# Altium PCB nixi_tube.PcbDoc (part 1 of 3)
Units mm, origin at the board's own origin, x right, y up, seen from the top; angles counter-clockwise.
Board outline 147 x 65 mm, 2 copper layers (Top Layer, Bottom Layer), stack 1.569 mm thick; 87 components, 111 nets, 363 pads, 194 vias.
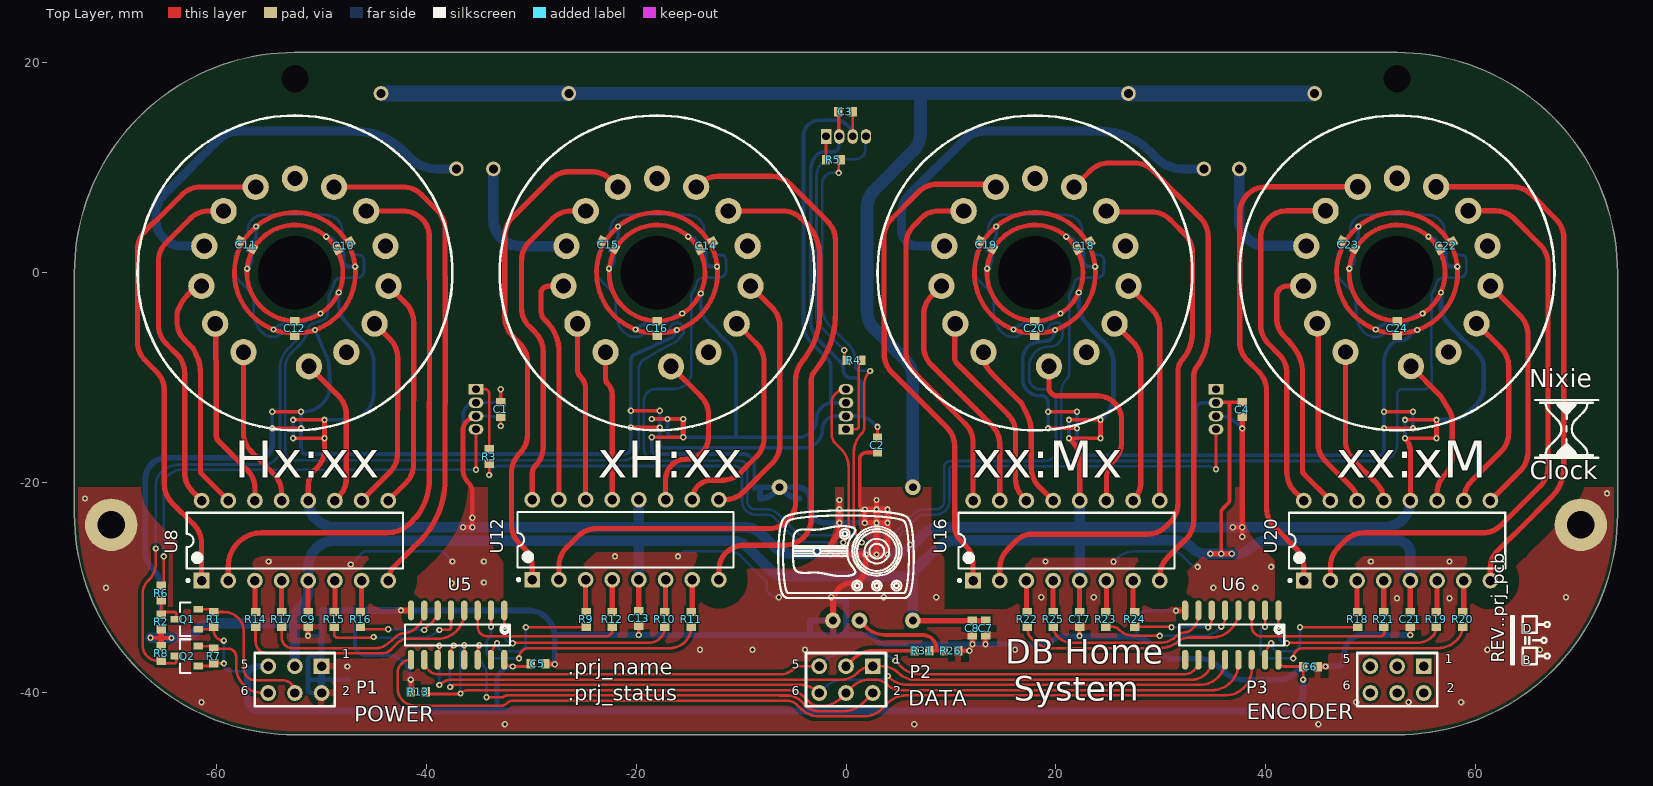
[diagram p0: Top Layer view]
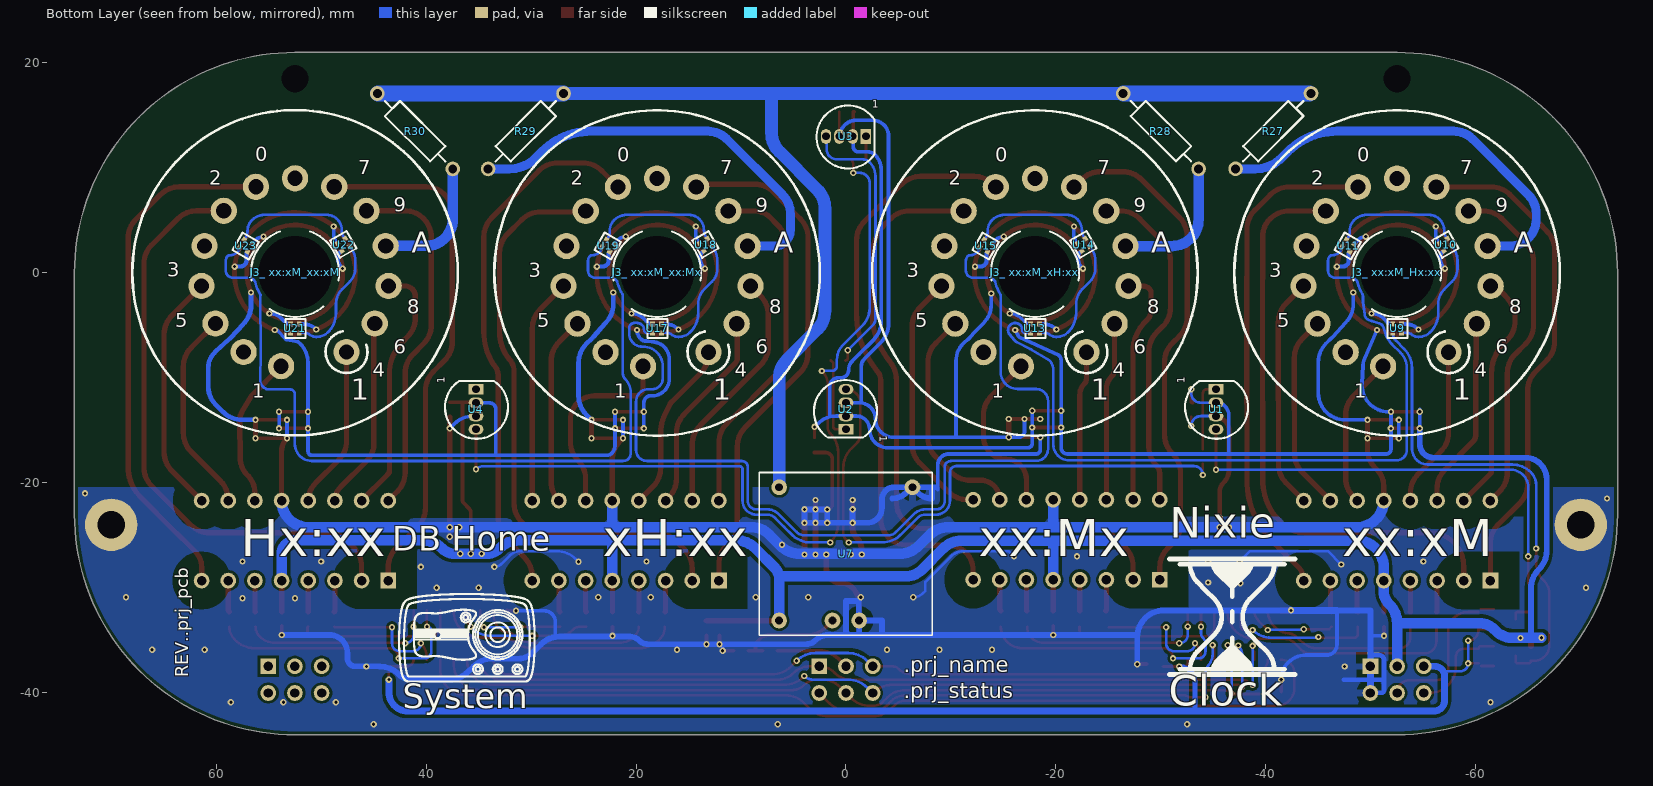
[diagram p1: Bottom Layer view, seen from below]

## Layer stack, top to bottom
Top Solder: solder mask 0.0254, SM-001, Dk 4
Top Layer: signal copper 0.035
Dielectric 1: core 1.4986, Core-043, Dk 4.3
Bottom Layer: signal copper 0.035
Bottom Solder: solder mask 0.0254, SM-001, Dk 4

## Board outline
-73.5,-23 -73.5,0 cw(c-52.5,0) -52.5,21 52.5,21 cw(c52.5,0) 73.5,0 73.5,-23 cw(c52.5,-23) 52.5,-44 -52.5,-44 cw(c-52.5,-23)

## Design rules (kind name [scope] priority, off if disabled: settings)
BoardOutlineClearance [All] p1: gap=0.35 ignorepadtopadclearanceinfootprint=FALSE except(0: Arc-SplitContinuation Track-SplitContinuation SMDPad-SplitContinuation THPad-SplitContinuation Via-SplitContinuation Fill-SplitContinuation Poly-SplitContinuation Region-SplitContinuation Text-SplitContinuation)
Clearance Clearance_0,15 [InComponentClass('0,15')] p1: gap=0.25 ignorepadtopadclearanceinfootprint=FALSE except(0.15: SMDPad-SMDPad THPad-THPad)
Clearance Clearance_hv [InNetClass('HV')] p2: gap=2 ignorepadtopadclearanceinfootprint=FALSE except(0.25: Arc-Via Arc-Text Arc-Hole Track-Via Track-Text Track-Hole SMDPad-Via SMDPad-Text SMDPad-Hole THPad-Via THPad-Text THPad-Hole Via-Via Via-Text Via-Hole Fill-Text Fill-Hole Poly-Text Poly-Hole Region-Text Region-Hole Text-Text Text-Hole; 0.5: Arc-SMDPad Arc-THPad Track-SMDPad Track-THPad SMDPad-SMDPad SMDPad-THPad THPad-THPad; 1: Arc-Arc Arc-Track Track-Track)
Clearance [All] p3: gap=0.25 ignorepadtopadclearanceinfootprint=FALSE except(0.35: Arc-Fill Arc-Poly Arc-Region Track-Fill Track-Poly Track-Region Fill-Fill Fill-Poly Fill-Region Poly-Poly Poly-Region Region-Region)
ComponentClearance [All] p1: gap=0.25 collisioncheckmode=3 verticalgap=0.25 showdistances=FALSE
DiffPairsRouting [All] p1: maxlimit=0.25 minlimit=0.25 mostfreqgap=0.25 toplayer_minwidth=0.25 toplayer_maxwidth=0.25 toplayer_prefwidth=0.25 bottomlayer_minwidth=0.25 bottomlayer_maxwidth=0.25 bottomlayer_prefwidth=0.25 maxuncoupledlength=0.25
Height [All] p1: minheight=0 maxheight=25 prefheight=12.5
HoleSize [All] p1: absolutevalues=TRUE maxlimit=10 minlimit=0.2 maxpercent=80.000 minpercent=20.000
HoleToHoleClearance [All] p1: gap=0.25 allowstackedmicrovias=TRUE
MinimumSolderMaskSliver [All] p1: minsoldermaskwidth=0.15
PlaneClearance [All] p1: clearance=0.5
PlaneConnect PlaneConnect_via [isvia] p1: planeconnectstyle=Direct reliefexpansion=0.508 reliefentries=4 reliefconductorwidth=0.254 reliefairgap=0.254
PlaneConnect [All] p2: planeconnectstyle=Relief reliefexpansion=0.6 reliefentries=4 reliefconductorwidth=0.6 reliefairgap=0.3
PolygonConnect PolygonConnect_hole [(ObjectKind = 'Pad') And (Net = 'GND') And (Component = 'Free') And (Name = 'Free-hole')] p1: connectstyle=Direct reliefconductorwidth=0.254 reliefentries=4 polygonreliefangle="90 Angle" airgapwidth=0.254
PolygonConnect PolygonConnect_via [isvia] p2: connectstyle=Direct reliefconductorwidth=0.254 reliefentries=4 polygonreliefangle="90 Angle" airgapwidth=0.254
PolygonConnect [All] p3: connectstyle=Relief reliefconductorwidth=0.6 reliefentries=4 polygonreliefangle="90 Angle" airgapwidth=0.6
RoomDefinition xx:Mx [InComponentClass('xx:Mx')] p1: confinementstyle=ConfineIn formatcopy=TRUE lockcomponents=FALSE outline 1.5,22 36.5,22 36.5,-45 1.5,-45
RoomDefinition xx:xM [InComponentClass('xx:xM')] p2: confinementstyle=ConfineIn formatcopy=TRUE lockcomponents=FALSE outline 36,22 71,22 71,-45 36,-45
RoomDefinition xH:xx [InComponentClass('xH:xx')] p3: confinementstyle=ConfineIn formatcopy=TRUE lockcomponents=FALSE outline -34.5,22.088 0.5,22.088 0.5,-44.912 -34.5,-44.912
RoomDefinition Hx:xx [InComponentClass('Hx:xx')] p4: confinementstyle=ConfineIn formatcopy=TRUE lockcomponents=FALSE outline -69,22 -34,22 -34,-45 -69,-45
RoutingCorners [All] p1: cornerstyle=45-Degree minsetback=2.5 maxsetback=2.5
RoutingVias [All] p1: holewidth=0.3 width=0.6 viastyle="Through Hole" minholewidth=0.2 minwidth=0.3 maxholewidth=0.5 maxwidth=1
SilkToSilkClearance [All] p1: silktosilkclearance=0.15
SilkToSolderMaskClearance [IsPad] p1: minsilkscreentomaskgap=0.15 clearancetoexposedcopper=TRUE
SolderMaskExpansion SolderMaskExpansion_via [isVia] p1: expansion=-10 istentingtop=FALSE
SolderMaskExpansion [All] p2: expansion=0.05 istentingtop=FALSE
SupplyNets "Schematic Supply Nets_3" [InNet('+5V')] p1: voltage=0.000
SupplyNets "Schematic Supply Nets_2" [InNet('GND')] p2: voltage=0.000
SupplyNets "Schematic Supply Nets_1" [InNet('+3.3V')] p3: voltage=0.000
SupplyNets "Schematic Supply Nets" [InNet('HV')] p4: voltage=0.000
UnRoutedNet [All] p1: checkbadconnections=TRUE
Width [All] p1: maxlimit=5 minlimit=0.15 preferedwidth=0.25
18 further rules are at their usual default settings.

## Classes and differential pairs
component class 0,15: U1 U2 U3 U4
net class HV: D0_Hx:xx D0_xH:xx D0_xx:Mx D0_xx:xM D1_Hx:xx D1_xH:xx D1_xx:Mx D1_xx:xM D2_Hx:xx D2_xH:xx D2_xx:Mx D2_xx:xM D3_Hx:xx D3_xH:xx D3_xx:Mx D3_xx:xM D4_Hx:xx D4_xH:xx D4_xx:Mx D4_xx:xM D5_Hx:xx D5_xH:xx D5_xx:Mx D5_xx:xM D6_Hx:xx D6_xH:xx D6_xx:Mx D6_xx:xM D7_Hx:xx D7_xH:xx D7_xx:Mx D7_xx:xM D8_Hx:xx D8_xH:xx D8_xx:Mx D8_xx:xM D9_Hx:xx D9_xH:xx D9_xx:Mx D9_xx:xM
channel class tube: Hx:xx xH:xx xx:Mx xx:xM
component class xx:xM: C21 C22 C23 C24 "J3_ xx:xM_xx:xM" R30 U20 U21 U22 U23
component class xx:Mx: C17 C18 C19 C20 "J3_ xx:xM_xx:Mx" R29 U16 U17 U18 U19
component class Hx:xx: C9 C10 C11 C12 "J3_ xx:xM_Hx:xx" R27 U8 U9 U10 U11
component class xH:xx: C13 C14 C15 C16 "J3_ xx:xM_xH:xx" R28 U12 U13 U14 U15
component class Power: C7 C8 R26 U7
component class main: C1 C2 C3 C4 C5 C6 P1 P2 P3 Q1 Q2 R1 R2 R3 R4 R5 R6 R7 R8 R9 R10 R11 R12 R13 R14 R15 R16 R17 R18 R19 R20 R21 R22 R23 R24 R25 R31 U1 U2 U3 U4 U5 U6
component class Radio: TP? Y?
component class main: C1 C2 C3 C4 Q1 R2 R5 R6 U1 U2 U3 U4

## Components (designator, comment, footprint, x,y, rotation, side; value= is the part's Value field where it differs from the comment)
C1 "100nF" 0603_[1608] -32.89,-12.993 r270 top
C2 "100nF" 0603_[1608] 3,-16.413 r270 top
C3 "100nF" 0603_[1608] -0.055,15.365 r0 top
C4 "100nF" 0603_[1608] 37.75,-13.015 r270 top
C5 "100nF" 0603_[1608] -29.35,-37.25 r180 top (schematic designator C10)
C6 "100nF" 0603_[1608] 44.25,-37.5 r180 top (schematic designator C19)
C7 "10uF" 0603_[1608] 13.296,-33.837 r90 top (schematic designator C35)
C8 "100nF" 0603_[1608] 12.046,-33.837 r90 top (schematic designator C36)
C9 "100nF" 0603_[1608] -51.25,-33 r90 top (schematic designator "C11_ xx:xM")
C10 "100nF" 0603_[1608] -47.835,2.607 r30 top (schematic designator "C12_ xx:xM")
C11 "100nF" 0603_[1608] -57.133,2.675 r150 top (schematic designator "C13_ xx:xM")
C12 "100nF" 0603_[1608] -52.5,-5.293 r270 top (schematic designator "C14_ xx:xM")
C13 "100nF" 0603_[1608] -19.75,-32.912 r90 top (schematic designator "C11_ xx:xM")
C14 "100nF" 0603_[1608] -13.335,2.607 r30 top (schematic designator "C12_ xx:xM")
C15 "100nF" 0603_[1608] -22.633,2.675 r150 top (schematic designator "C13_ xx:xM")
C16 "100nF" 0603_[1608] -18,-5.293 r270 top (schematic designator "C14_ xx:xM")
C17 "100nF" 0603_[1608] 22.25,-33 r90 top (schematic designator "C11_ xx:xM")
C18 "100nF" 0603_[1608] 22.665,2.607 r30 top (schematic designator "C12_ xx:xM")
C19 "100nF" 0603_[1608] 13.367,2.675 r150 top (schematic designator "C13_ xx:xM")
C20 "100nF" 0603_[1608] 18,-5.293 r270 top (schematic designator "C14_ xx:xM")
C21 "100nF" 0603_[1608] 53.75,-33 r90 top (schematic designator "C11_ xx:xM")
C22 "100nF" 0603_[1608] 57.165,2.607 r30 top (schematic designator "C12_ xx:xM")
C23 "100nF" 0603_[1608] 47.867,2.675 r150 top (schematic designator "C13_ xx:xM")
C24 "100nF" 0603_[1608] 52.5,-5.293 r270 top (schematic designator "C14_ xx:xM")
"J3_ xx:xM_Hx:xx" "NIXIE_TUBE_SOCKET_14PIN_31MM_THD" SOCKET_NIXI_TUBE -52.5,0 r180 bottom locked (schematic designator "J3_ xx:xM")
"J3_ xx:xM_xH:xx" "NIXIE_TUBE_SOCKET_14PIN_31MM_THD" SOCKET_NIXI_TUBE -18,0 r180 bottom (schematic designator "J3_ xx:xM")
"J3_ xx:xM_xx:Mx" "NIXIE_TUBE_SOCKET_14PIN_31MM_THD" SOCKET_NIXI_TUBE 18,0 r180 bottom (schematic designator "J3_ xx:xM")
"J3_ xx:xM_xx:xM" "NIXIE_TUBE_SOCKET_14PIN_31MM_THD" SOCKET_NIXI_TUBE 52.484,0.014 r180 bottom (schematic designator "J3_ xx:xM")
P1 "POWER" HEADER_2X3_2.54MM_THD -52.5,-38.75 r180 top
P2 "DATA" HEADER_2X3_2.54MM_THD 0,-38.75 r180 top
P3 "ENCODER" HEADER_2X3_2.54MM_THD 52.5,-38.75 r180 top
Q1 "BSS138" SOT-23 -62.75,-33 r180 top (schematic designator Q2)
Q2 "BSS138" SOT-23 -62.75,-36.5 r180 top (schematic designator Q1)
R1 "10k" 0603_[1608] -60.25,-33 r90 top (schematic designator R23)
R2 "10k" 0603_[1608] -65.25,-33.25 r90 top (schematic designator R24)
R3 "75R" 0603_[1608] -34,-17.493 r270 top (schematic designator R1)
R4 "75R" 0603_[1608] 0.75,-8.338 r180 top (schematic designator R2)
R5 "75R" 0603_[1608] -1.204,10.783 r0 top (schematic designator R3)
R6 "75R" 0603_[1608] -65.25,-30.5 r270 top (schematic designator R4)
R7 "10k" 0603_[1608] -60.25,-36.5 r90 top (schematic designator R34)
R8 "10k" 0603_[1608] -65.25,-36.25 r270 top (schematic designator R35)
R9 "1k" 0603_[1608] -24.75,-33 r270 top (schematic designator R25)
R10 "1k" 0603_[1608] -17.25,-33 r270 top (schematic designator R26)
R11 "1k" 0603_[1608] -14.75,-33 r270 top (schematic designator R27)
R12 "1k" 0603_[1608] -22.25,-33 r270 top (schematic designator R28)
R13 "10k" 0603_[1608] -40.75,-39.901 r180 top (schematic designator R29)
R14 "1k" 0603_[1608] -56.25,-33 r270 top (schematic designator R30)
R15 "1k" 0603_[1608] -48.75,-33 r270 top (schematic designator R31)
R16 "1k" 0603_[1608] -46.25,-33 r270 top (schematic designator R32)
R17 "1k" 0603_[1608] -53.75,-33 r270 top (schematic designator R33)
R18 "1k" 0603_[1608] 48.75,-33 r270 top (schematic designator R36)
R19 "1k" 0603_[1608] 56.25,-33 r270 top (schematic designator R38)
R20 "1k" 0603_[1608] 58.75,-33 r270 top (schematic designator R39)
R21 "1k" 0603_[1608] 51.25,-33 r270 top (schematic designator R40)
R22 "1k" 0603_[1608] 17.25,-33 r270 top (schematic designator R42)
R23 "1k" 0603_[1608] 24.75,-33 r270 top (schematic designator R43)
R24 "1k" 0603_[1608] 27.5,-33 r270 top (schematic designator R44)
R25 "1k" 0603_[1608] 19.75,-33 r270 top (schematic designator R45)
R26 "10k" 0603_[1608] 10,-36 r180 top (schematic designator R53)
R27 "22k" "AXIAL 10mm" -40.708,13.508 r135 bottom (schematic designator "R24_ xx:xM")
R28 "22k" "AXIAL 10mm" -30,13.5 r45 bottom (schematic designator "R24_ xx:xM")
R29 "22k" "AXIAL 10mm" 30.5,13.5 r135 bottom (schematic designator "R24_ xx:xM")
R30 "22k" "AXIAL 10mm" 41.055,13.5 r45 bottom (schematic designator "R24_ xx:xM")
R31 "33R" 0603_[1608] 7.25,-36 r180 top (schematic designator R5)
U1 "WS2812D" R5_RGB_LED_THD -35.25,-13 r90 bottom
U2 "WS2812D" R5_RGB_LED_THD 0,-13 r270 bottom
U3 "WS2812D" R5_RGB_LED_THD 0,13 r180 bottom
U4 "WS2812D" R5_RGB_LED_THD 35.25,-13 r90 bottom
U5 "SN74HC595D" soic16 -37,-34.5 r270 top (schematic designator U8)
U6 "SN74HC595D" soic16 36.75,-34.5 r270 top (schematic designator U16)
U7 "BootModule_3-9V_170V" BOOSTMODULE 0.02,-26.766 r90 bottom locked (schematic designator U26)
U8 "K155ID1" DIP-16_THD -52.5,-25.5 r90 top (schematic designator "U7_ xx:xM")
U9 "WS2812" LED_PLCC_RGB_4P_1010 -52.5,-5.293 r270 bottom (schematic designator "U9_ xx:xM")
U10 "WS2812" LED_PLCC_RGB_4P_1010 -57.133,2.675 r150 bottom (schematic designator "U10_ xx:xM")
U11 "WS2812" LED_PLCC_RGB_4P_1010 -47.835,2.607 r30 bottom (schematic designator "U11_ xx:xM")
U12 "K155ID1" DIP-16_THD -21,-25.412 r90 top (schematic designator "U7_ xx:xM")
U13 "WS2812" LED_PLCC_RGB_4P_1010 -18,-5.293 r270 bottom (schematic designator "U9_ xx:xM")
U14 "WS2812" LED_PLCC_RGB_4P_1010 -22.633,2.675 r150 bottom (schematic designator "U10_ xx:xM")
U15 "WS2812" LED_PLCC_RGB_4P_1010 -13.335,2.607 r30 bottom (schematic designator "U11_ xx:xM")
U16 "K155ID1" DIP-16_THD 21,-25.5 r90 top (schematic designator "U7_ xx:xM")
U17 "WS2812" LED_PLCC_RGB_4P_1010 18,-5.293 r270 bottom (schematic designator "U9_ xx:xM")
U18 "WS2812" LED_PLCC_RGB_4P_1010 13.367,2.675 r150 bottom (schematic designator "U10_ xx:xM")
U19 "WS2812" LED_PLCC_RGB_4P_1010 22.665,2.607 r30 bottom (schematic designator "U11_ xx:xM")
U20 "K155ID1" DIP-16_THD 52.5,-25.5 r90 top (schematic designator "U7_ xx:xM")
U21 "WS2812" LED_PLCC_RGB_4P_1010 52.5,-5.293 r270 bottom (schematic designator "U9_ xx:xM")
U22 "WS2812" LED_PLCC_RGB_4P_1010 47.867,2.675 r150 bottom (schematic designator "U10_ xx:xM")
U23 "WS2812" LED_PLCC_RGB_4P_1010 57.165,2.607 r30 bottom (schematic designator "U11_ xx:xM")

## Footprints (in the part's own frame and the unit in brackets; to place one, negate y for a bottom-side part, rotate by r counter-clockwise, add the part's x,y. Pads: shape width x height; smd on the part's side, far side on the other; paste and mask are expansions set on the pad)
0603_[1608] [mm] "Chip Capacitor, Body 1.6x0.8mm, IPC High Density"
  rect 0.8x0.9 smd: 1(-0.7,0) 2(0.7,0)
  body extent -0.75,-0.4 0.75,0.4, height 0.67
"AXIAL 10mm" [mm]
  round 1.4 hole 0.85: 1(-5.08,0) 2(5.08,0)
  silkscreen extent -4.06,-1.02 4.06,1.02, body extent -5.28,-1.11 5.48,1.2, height 2.93
BOOSTMODULE [mm]
  round 1.5 hole 0.75: 1(-6.35,6.35) 2(-6.35,1.27) 3(-6.35,-1.27) 4(6.35,-6.35) 5(6.35,6.35)
  silkscreen extent -7.75,-8.25 7.75,8.25, body extent -7.5,-8 7.5,8, height 3.5
DIP-16_THD [mm]
  rect 1.5x1.5 hole 0.9: 1(-3.81,8.89)
  round 1.5 hole 0.9: 2(-3.81,6.35) 3(-3.81,3.81) 4(-3.81,1.27) 5(-3.81,-1.27) 6(-3.81,-3.81) 7(-3.81,-6.35) 8(-3.81,-8.89) 9(3.81,-8.89) 10(3.81,-6.35) 11(3.81,-3.81) 12(3.81,-1.27) 13(3.81,1.27) 14(3.81,3.81) 15(3.81,6.35) 16(3.81,8.89)
  silkscreen extent -3.93,-10.3 2.65,10.31, body extent -3.6,-10.28 3.6,10.28, height 5.08
HEADER_2X3_2.54MM_THD [mm] "pin header 2.54mm 2row 6pin"
  rect 1.5x1.5 hole 0.9: 1(-2.54,-1.27)
  round 1.5 hole 0.9: 2(-2.54,1.27) 3(0,-1.27) 4(0,1.27) 5(2.54,-1.27) 6(2.54,1.27)
  silkscreen extent -3.81,-2.54 3.81,2.54, body extent -3.81,-2.54 3.81,2.54, height 8.54
LED_PLCC_RGB_4P_1010 [mm]
  rect 0.45x0.45 smd: 1(-0.425,0.425) 2(0.425,0.425) 3(-0.425,-0.425) 4(0.425,-0.425)
  silkscreen extent -0.9,-0.9 0.9,1, body extent -0.5,-0.5 0.5,0.5, height 0.85
R5_RGB_LED_THD [mm]
  rect 1x1.4 hole 0.72: 1(1.905,0)
  oval 1x1.4 hole 0.72: 2(0.635,0) 3(-0.635,0) 4(-1.905,0)
  silkscreen extent -2.8,-3.05 2.7,2.95, body extent -2.83,-2.9 2.63,3, height 9.65
SOCKET_NIXI_TUBE [mm] "Pin 1mm, Tube 30mm"
  round 2.5 hole 1.45: 1(4.902,-7.548) 2(7.591,-4.836) 3(8.912,-1.253) 4(8.629,2.556) 5(6.792,5.905) 6(3.732,8.19) 7(0,9) 8(-3.732,8.19) 9(-6.792,5.905) 10(-8.629,2.556) 11(-8.912,-1.253) 12(-7.591,-4.836) 13(-4.902,-7.548) 14(-1.33,-8.901)
  round 0 hole 7 unplated: hole1(0,0)
  silkscreen extent -15.5,-15.5 15.5,15.5, body extent -10.25,-10.15 10.12,10.3, height 7
soic16 [mm] "SOIC, 16-Leads, Body 9.9x3.9mm, Pitch 1.27mm, IPC High Density"
  oval 1.9x0.6 smd: 1(-2.35,4.445) 2(-2.35,3.175) 3(-2.35,1.905) 4(-2.35,0.635) 5(-2.35,-0.635) 6(-2.35,-1.905) 7(-2.35,-3.175) 8(-2.35,-4.445) 9(2.35,-4.445) 10(2.35,-3.175) 11(2.35,-1.905) 12(2.35,-0.635) 13(2.35,0.635) 14(2.35,1.905) 15(2.35,3.175) 16(2.35,4.445)
  silkscreen extent -1,-5 1,5, body extent -2,-5 2,5, height 1.91
SOT-23 [mm] "SOT23, 3-Leads, Body 2.9x1.3mm, Pitch 0.95mm, Lead Span 2.5mm, IPC High Density"
  rect 0.9x0.65 smd: 1(-1.038,0.95) 2(-1.038,-0.95)
  rect 1.1x0.65 smd: 3(1.038,0)
  silkscreen extent -0.3,-1.6 0.7,1.6, body extent -1.2,-1.52 1.2,1.52, height 1.22

## Part data
C1 C2 C3 C4 C5 C6 C7 C8 C9 C10 C11 C12 C13 C14 C15 C16 C17 C18 C19 C20 C21 C22 C23 C24: library part Cap, "Capacitor", ComponentLink1Description="New link"
"J3_ xx:xM_Hx:xx" "J3_ xx:xM_xH:xx" "J3_ xx:xM_xx:Mx" "J3_ xx:xM_xx:xM": library part CMP-057-000033-2, Design Item ID=NIXIE_TUBE_SOCKET_14PIN_31MM_THD, MountTechnology=SMT, Publisher="Develer srl", Revision=0.1
P1 P2 P3: library part "Header 3X2", "Header, 3-Pin, Dual row", LatestRevisionDate=17-Jul-2002, LatestRevisionNote="Re-released for DXP Platform.", Publisher="Altium Limited"
Q1 Q2: "N-MOSFET 50V 0,22A", MountTechnology=SMT, Publisher="Develer srl", Revision=0.1
R1 R2 R3 R4 R5 R6 R7 R8 R9 R10 R11 R12 R13 R14 R15 R16 R17 R18 R19 R20 R21 R22 R23 R24 R25 R26 R27 R28 R29 R30 R31: library part Res, "Resistor", MountTechnology=SMT, Publisher="Develer srl", Revision=0.1
U1 U2 U3 U4: "Adressable Led RGB 1wire, THD", CODE LCSC=C190565, MountTechnology=SMT, Publisher="Develer srl", Revision=0.1
U5 U6: "8-Bit Shift Registers With 3-State Output Registers", Supplier Part Number 1=497-2344-5-ND, MountTechnology=SMT, Publisher="Develer srl", Revision=0.1, Supplier 1=Digi-Key, Supplier 2=Newark, Supplier 3=Newark, Supplier 4=Avnet, Supplier Part Number 2=26AC5117, Supplier Part Number 3=89K1130, Supplier Part Number 4=ULN2003A
U7: "som boot power supply 3-9V to 170V", MountTechnology=SMT, Publisher="Develer srl", Revision=0.1
U8 U12 U16 U20: "Nixie Tube HV Driver", MountTechnology=SMT, Publisher="Develer srl", Revision=0.1
U9 U10 U11 U13 U14 U15 U17 U18 U19 U21 U22 U23: "Adressable Led RGB 1wire", CODE LCSC=C5349953, MountTechnology=SMT, Publisher="Develer srl", Revision=0.1

## Free pads (board coordinates)
  round 5 hole 2.6: hole(-70,-24) hole(70,-24)
  round 0 hole 2.6: hole(-52.5,18.5) hole(52.5,18.5)

## Via types
v1: diameter 0.6, hole 0.3, Top Layer to Bottom Layer, 194 vias

## Nets (pads, with @x,y where several pads share a name; then routed paths per layer and width w, separated by ;. In a path a pad name is that pad's centre, name@x,y a point inside that pad or via, vN(x,y) a via of type N, cw(c..) or ccw(c..) an arc to the next point about the centre after c; other vN are vias at no path point)
+3.3V: C5.2 C6.2 P1.5 Q1.1 Q2.1 R1.1 R7.1 U5.16 U6.16 | length 130.3
  Top Layer w0.25: Q2.1@-61.713,-37.45 R7.1@-60.5,-37.45 ; Q1.1@-61.713,-33.95 R1.1@-60.5,-33.95 ; R7.1@-60.25,-37.2 v1(-59.267,-37.2) ; R1.1@-60.25,-33.7 -60.25,-34.049 ccw(c-59.267,-34.049) v1(-59.267,-35.033) ; U5.16@-32.555,-36.85 -32.555,-37.276 -32.393,-37.437 -31.812,-37.437 v1(-31.75,-37.5) C5.2@-30.2,-37.5 ; U6.16@41.195,-36.85 ccw(c41.845,-36.85) 41.845,-37.5 C6.2@43.55,-37.5 v1(43.55,-38.75)
  Bottom Layer w0.25: v1(-59.267,-35.033) v1(-59.267,-37.2) ccw(c-58.514,-37.2) -58.764,-37.91 ccw(c-58.514,-37.2) -58.514,-37.953 -57.025,-37.953
  Bottom Layer w0.45: -33.25,-41.75 -33.25,-38.869 cw(c-32.021,-38.869) -32.89,-38 -32.843,-37.953 cw(c-31.75,-39.045) v1(-31.75,-37.5)
  Bottom Layer w0.65: P1.5@-55.04,-37.48 -56.084,-37.48 ccw(c-56.084,-38.42) -57.025,-38.42 -57.025,-40.725 ccw(c-56,-40.725) -56,-41.75 -33.25,-41.75 41.742,-41.75 41.744,-41.75 ccw(c41.744,-39.944) 43.55,-39.944 v1(43.55,-38.75)
+5V: C1.1 C2.1 C3.1 C4.1 C7.2 C8.2 C9.2 C10.2 C11.2 C12.2 C13.2 C14.2 C15.2 C16.2 C17.2 C18.2 C19.2 C20.2 C21.2 C22.2 C23.2 C24.2 P1.3 R2.1 R8.1 U1.2 U2.2 U3.2 U4.2 U7.1 U8.5 U9.1 U10.1 U11.1 U12.5 U13.1 U14.1 U15.1 U16.5 U17.1 U18.1 U19.1 U20.5 U21.1 U22.1 U23.1 | length 612.2
  Top Layer w0.25: C2.1@3,-15.713 v1(3,-14.663)
  Top Layer w0.35: v1(-66.25,-34.75) -65.25,-34.75 ; -65.259,-34.778 -65.25,-34.778 v1(-64.259,-34.778) ; v1(-54.665,-14.812) v1@-51.943,-14.812 ; v1@-54.628,-13.225 v1(-51.915,-13.225) ; C12.2@-52.5,-5.993 C12.2@-52.5,-5.764 ; C1.1@-33.047,-12.358 ccw(c-33.047,-12.136) C1.1@-32.89,-12.293 v1(-32.89,-11.088) ; v1(-20.493,-14.723) v1@-17.771,-14.723 ; v1@-20.456,-13.137 v1(-17.743,-13.137) ; C16.2@-18,-5.993 C16.2@-18,-5.764 ; C3.1@-0.755,15.365 cw(c-0.755,15.301) -0.69,15.301 U3.2@-0.69,13 ; C20.2@18,-5.993 C20.2@18,-5.764 ; v1(19.257,-14.812) v1@21.979,-14.812 ; v1@19.293,-13.225 v1(22.007,-13.225) ; U4.2@35.25,-12.38 cw(c35.315,-12.38) 35.315,-12.315 36.532,-12.315 ; v1(35.75,-26.75) 35.75,-22.83 cw(c36.305,-22.83) 35.912,-22.438 ; 35.912,-22.438 36.401,-21.949 ccw(c36.085,-21.633) 36.532,-21.633 36.532,-12.315 ; C4.1@37.75,-12.315 36.532,-12.315 ; v1(51.257,-14.812) v1@53.979,-14.812 ; v1@51.293,-13.225 v1(54.007,-13.225) ; C24.2@52.5,-5.993 C24.2@52.5,-5.764
  Top Layer w0.45: C12.2@-52.5,-5.764 ccw(c-52.5,0) -46.736,0 ccw(c-52.5,0) C12.2@-52.5,-5.764 ; C16.2@-18,-5.764 cw(c-18,0) -12.236,0 cw(c-18,0) C16.2@-18,-5.764 ; C20.2@18,-5.764 ccw(c18,0) 23.764,0 ccw(c18,0) C20.2@18,-5.764 ; C24.2@52.5,-5.764 ccw(c52.5,0) 58.264,0 ccw(c52.5,0) C24.2@52.5,-5.764
  Top Layer w0.5: C9.2@-51.25,-32.3 -51.25,-29.358 cw(c-51.182,-29.358) U8.5@-51.23,-29.31 ; C13.2@-19.75,-32.211 -19.75,-29.27 cw(c-19.682,-29.27) U12.5@-19.73,-29.222 ; C17.2@22.25,-32.3 22.25,-29.358 cw(c22.318,-29.358) U16.5@22.27,-29.31 ; C21.2@53.75,-32.3 53.75,-29.358 cw(c53.818,-29.358) U20.5@53.77,-29.31
  Top Layer w0.55: R8.1@-65.25,-35.55 -65.25,-34.778 -65.25,-34.75 R2.1@-65.25,-33.95 ; U7.1@6.39,-33.136 C8.2@12.046,-33.136 C7.2@13.296,-33.136 ; v1(34.713,-26.75) v1(35.75,-26.75) v1(36.75,-26.75)
  Bottom Layer w0.25: U1.2@-35.255,-12.358 -33.782,-12.358 ccw(c-33.782,-11.466) -32.89,-11.466 v1(-32.89,-11.088)
  Bottom Layer w0.35: U10.1@-56.553,2.831 ccw(c-57.415,3.693) -56.195,3.693 v1(-56.195,4.424) ; -54.679,-16.764 -54.665,-16.75 ; v1@-54.672,-12.993 -54.665,-13 v1(-54.665,-13.225) v1(-54.665,-14.812) ; v1(-54.541,-5.391) cw(c-53.279,-6.653) -53.279,-4.868 U9.1@-52.925,-4.868 ; v1(-50.589,-5.438) -49.407,-8.127 cw(c-51.17,-8.901) -49.248,-8.794 -49.149,-10.564 cw(c-49.499,-10.583) -49.149,-10.583 -49.149,-10.685 cw(c-51.689,-10.685) -51.689,-13.225 v1(-51.915,-13.225) -51.915,-16.794 ccw(c-51.459,-16.794) -51.459,-17.25 -36.463,-17.25 ; U1.2@-35.255,-12.358 ccw(c-35.255,-13.566) -36.463,-13.566 -36.463,-17.25 ; U14.1@-22.053,2.831 ccw(c-22.915,3.693) -21.695,3.693 v1@-21.695,4.424 ; v1(-20.041,-5.391) cw(c-18.779,-6.653) -18.779,-4.868 U13.1@-18.425,-4.868 ; v1@-17.743,-14.723 -17.743,-14.345 ; v1(-17.743,-13.137) -17.743,-14.345 ; v1(-16.111,-5.438) -16.456,-6.046 -16.534,-6.123 -20.289,-7.858 -20.333,-7.902 -20.35,-7.919 ccw(c-19.834,-8.329) -20.493,-8.329 -20.493,-8.331 v1(-20.493,-13.137) v1(-20.493,-14.723) -20.493,-16.656 cw(c-21.087,-16.656) -21.087,-17.25 -36.463,-17.25 ; -1.237,-7.762 ccw(c-0.973,-7.532) -1.222,-7.778 ; U3.2@-0.69,13 -0.69,12.033 cw(c-1.19,12.033) -1.19,11.533 -2.055,11.533 ccw(c-2.055,10.483) -2.75,11.27 ; v1(3,-14.663) 2.716,-14.379 ccw(c0.92,-16.175) 1.544,-13.713 ; U18.1@13.947,2.831 ccw(c13.085,3.693) 14.305,3.693 v1(14.305,4.424) ; v1(15.959,-5.391) cw(c17.221,-6.653) 17.221,-4.868 U17.1@17.575,-4.868 ; 18.476,-6.56 ccw(c18.519,-8.251) 16.826,-8.251 16.826,-10.067 ccw(c18.461,-10.067) 18.461,-11.701 18.6,-11.701 cw(c18.6,-12.358) 19.257,-12.358 v1(19.257,-13.225) v1(19.257,-14.812) ; 18.477,-6.56 ccw(c18.468,-6.21) 18.508,-6.557 19.042,-6.493 cw(c19.33,-8.901) 19.184,-6.481 ccw(c19.161,-6.131) 19.335,-6.435 19.336,-6.435 ccw(c18.768,-5.447) 19.48,-6.336 ccw(c18.761,-5.438) v1(19.911,-5.438) ; v1(22.007,-13.225) 22.007,-15.75 ; 22.015,-15.758 22.007,-15.75 ; U4.2@35.25,-12.38 33.975,-12.38 ccw(c33.975,-13) 33.355,-13 33.355,-17.251 ; U22.1@48.454,2.831 ccw(c47.591,3.693) 48.811,3.693 v1(48.811,4.424) ; v1(50.465,-5.391) cw(c51.727,-6.653) 51.727,-4.868 U21.1@52.081,-4.868 ; v1@51.25,-12.993 v1@51.257,-13 ; v1@54.007,-14.812 v1(54.007,-13.225) ; v1(54.418,-5.438) 54.348,-5.438 ccw(c54.348,-5.788) 54.091,-5.551 53.462,-6.231 cw(c53.15,-5.943) 53.234,-6.359 52.26,-6.557 ccw(c52.33,-6.9) 52.081,-6.653 52.001,-6.733 ccw(c53.797,-8.529) 51.257,-8.529 v1@51.257,-13 ; -17.743,-14.345 -17.735,-14.345 v1(-17.735,-14.723) -17.735,-16.25 ccw(c-17.329,-16.25) -17.329,-16.656 -4,-16.656 ccw(c-4,-14.905) -2.249,-14.905 cw(c-0.979,-14.905) -0.979,-13.635 U2.2@0,-13.635 0.92,-13.635 cw(c0.92,-16.175) 1.544,-13.713 ; -2.924,11.072 cw(c-1.289,9.81) -2.75,11.27 ; -2.924,11.072 cw(c-2.055,10.483) -2.75,11.27 ; -2.924,11.072 ccw(c-1.289,9.81) -3.355,9.81 -3.355,-4.593 ccw(c-0.815,-4.593) -2.611,-6.389 -1.222,-7.778 ; -1.222,-7.778 -0.604,-8.396 cw(c-1.457,-9.25) -0.25,-9.25 ccw(c0.5,-9.25) 0.5,-10 0.75,-10 cw(c0.75,-10.794) 1.544,-10.794 1.544,-13.713 ; 22.007,-15.75 22.007,-16.482 ccw(c22.977,-16.482) 22.291,-17.168 ccw(c22.774,-16.685) 22.774,-17.368 33.355,-17.368 ; 33.355,-17.368 33.472,-17.368 ; 33.355,-17.368 33.355,-17.251 ; 33.355,-17.251 ccw(c33.472,-17.251) 33.472,-17.368 ; 33.472,-17.368 50.881,-17.368 ccw(c50.881,-16.299) 50.905,-17.368 ccw(c50.896,-17.018) 51.242,-17.067 ccw(c49.757,-16.857) 51.257,-16.857 v1(51.257,-14.812) v1(51.257,-13.225) v1@51.257,-13
  Bottom Layer w0.4: U11.1@-47.99,2.027 cw(c-48.251,1.766) -47.882,1.766 -47.882,1.12 ccw(c-47.43,1.12) -47.75,0.8 ccw(c-47.267,1.283) -47.267,0.6 v1(-46.764,0.6) ; U15.1@-13.49,2.027 cw(c-13.751,1.766) -13.382,1.766 -13.382,1.12 ccw(c-12.93,1.12) -13.25,0.8 ccw(c-12.767,1.283) -12.767,0.6 v1(-12.287,0.6) v1@-12.264,0.6 ; U19.1@22.51,2.027 cw(c22.249,1.766) 22.618,1.766 22.618,1.12 ccw(c23.07,1.12) 22.75,0.8 ccw(c23.233,1.283) 23.233,0.6 v1(23.736,0.6) ; U23.1@57.016,2.027 cw(c56.756,1.766) 57.124,1.766 57.124,1.12 ccw(c57.576,1.12) 57.256,0.8 ccw(c57.739,1.283) 57.739,0.6 v1(58.242,0.6)
  Bottom Layer w0.55: -65.257,-34.75 -65.257,-30.045 ; -65.25,-30.5 -65.25,-30.052 ccw(c-67.79,-30.052) -65.994,-28.256 -66.006,-28.244 cw(c-64.21,-26.448) -66.75,-26.448 -66.75,-19.64 cw(c-64.71,-19.64) -64.71,-17.6 -56.105,-17.6 ; -55.956,-17.6 ccw(c-55.956,-16.309) -54.665,-16.309 v1(-54.665,-14.812)
  Bottom Layer w1: v1(-66.25,-34.75) -65.257,-34.75 -63.422,-34.75 ccw(c-63.422,-32.643) -61.933,-34.133 -61.75,-33.95 cw(c-60.306,-35.394) -60.306,-33.352 -52.5,-33.352 ; P1.3@-52.5,-37.48 -52.5,-33.352 ; U8.5@-51.25,-29.29 ccw(c-51.23,-29.29) U8.5@-51.23,-29.31 ; U12.5@-19.73,-29.222 -19.73,-25.548 ccw(c-19.798,-25.548) -19.75,-25.5 ; U7.1@6.37,-33.116 6.37,-28.918 cw(c7.923,-29.177) 6.81,-28.063 8.644,-26.229 cw(c10.439,-28.026) 10.439,-25.486 22.25,-25.486 ; 6.37,-28.912 -5.66,-28.912 cw(c-5.66,-26.672) -7.244,-28.256 -9.256,-26.244 ccw(c-11.052,-28.04) -11.052,-25.5 -19.75,-25.5 ; U16.5@22.27,-29.31 22.27,-25.535 ccw(c22.202,-25.535) 22.25,-25.486 ; v1(34.713,-26.75) 34.254,-26.75 cw(c34.254,-24.976) 33,-26.23 ccw(c31.204,-28.026) 31.204,-25.486 22.25,-25.486 ; v1@34.95,-26.75 v1(36.75,-26.75) 37.246,-26.75 ccw(c37.246,-24.976) 38.5,-26.23 cw(c40.296,-28.026) 40.296,-25.486 52.506,-25.486 cw(c52.506,-26.75) 53.77,-26.75 U20.5@53.77,-29.31 ; -52.5,-33.352 cw(c-49.96,-33.352) -51.756,-31.556 -51.7,-31.5 ccw(c-52.835,-30.365) -51.23,-30.365 U8.5@-51.23,-29.31 ; U8.5@-51.23,-29.31 -51.23,-28.04 cw(c-48.69,-28.04) -48.69,-25.5 -47.882,-25.5 -19.75,-25.5
  other v1: -51.906,-14.812 22.015,-14.812 54.015,-14.812 -21.718,4.424
A_Hx:xx: R14.1 U8.3 | length 3
  Top Layer w0.5: U8.3@-56.31,-29.31 -56.31,-32.155 ccw(c-56.105,-32.155) R14.1@-56.25,-32.3
A_xH:xx: R9.1 U12.3 | length 3
  Top Layer w0.5: U12.3@-24.81,-29.222 -24.81,-32.067 ccw(c-24.605,-32.067) R9.1@-24.75,-32.212
A_xx:Mx: R22.1 U16.3 | length 3
  Top Layer w0.5: U16.3@17.19,-29.31 17.19,-32.155 ccw(c17.395,-32.155) R22.1@17.25,-32.3
A_xx:xM: R18.1 U20.3 | length 3
  Top Layer w0.5: U20.3@48.69,-29.31 48.69,-32.155 ccw(c48.895,-32.155) R18.1@48.75,-32.3
B_Hx:xx: R15.1 U8.6 | length 3
  Top Layer w0.5: R15.1@-48.75,-32.3 ccw(c-48.895,-32.155) -48.69,-32.155 U8.6@-48.69,-29.31
B_xH:xx: R10.1 U12.6 | length 3
  Top Layer w0.5: R10.1@-17.25,-32.212 ccw(c-17.395,-32.067) -17.19,-32.067 U12.6@-17.19,-29.222
B_xx:Mx: R23.1 U16.6 | length 3
  Top Layer w0.5: R23.1@24.75,-32.3 ccw(c24.605,-32.155) 24.81,-32.155 U16.6@24.81,-29.31
B_xx:xM: R19.1 U20.6 | length 3
  Top Layer w0.5: R19.1@56.25,-32.3 ccw(c56.105,-32.155) 56.31,-32.155 U20.6@56.31,-29.31
BACK_LIGHT_DATA: P1.6 Q2.2 R7.2 | length 9.6
  Top Layer w0.25: Q2.2@-61.713,-35.55 -60.5,-35.55 cw(c-60.5,-35.8) R7.2@-60.25,-35.8 -58.85,-35.8 cw(c-58.85,-36.544) -58.106,-36.544 -58.106,-37.48 ccw(c-55.566,-37.48) -55.566,-40.02 P1.6@-55.04,-40.02
C_Hx:xx: R16.1 U8.7 | length 3
  Top Layer w0.5: R16.1@-46.25,-32.3 ccw(c-46.491,-32.059) -46.15,-32.059 U8.7@-46.15,-29.31
C_xH:xx: R11.1 U12.7 | length 3
  Top Layer w0.5: R11.1@-14.75,-32.212 ccw(c-14.991,-31.97) -14.65,-31.97 U12.7@-14.65,-29.222
C_xx:Mx: R24.1 U16.7 | length 3
  Top Layer w0.5: R24.1@27.25,-32.3 ccw(c27.009,-32.059) 27.35,-32.059 U16.7@27.35,-29.31
C_xx:xM: R20.1 U20.7 | length 3
  Top Layer w0.5: R20.1@58.75,-32.3 ccw(c58.509,-32.059) 58.85,-32.059 U20.7@58.85,-29.31
D0_Hx:xx: "J3_ xx:xM_Hx:xx.8" U8.8 | length 47.9
  Top Layer w0.5: -48.768,8.19 -42.209,8.19 cw(c-42.209,5.667) -40.425,7.451 -38.936,5.961 cw(c-40.732,4.165) -38.192,4.165 -38.188,-4.698 cw(c-39.688,-4.702) -38.188,-4.702 cw(c-39.688,-4.704) -38.188,-4.704 -38.188,-12.103 cw(c-41.188,-12.103) -38.188,-12.118 -38.192,-13 -38.192,-19.688 cw(c-46.599,-19.675) -41.171,-26.095 -43.062,-27.986 ccw(c-41.738,-29.31) -43.596,-29.081 ccw(c-41.738,-29.31) U8.8@-43.61,-29.31
D0_xH:xx: "J3_ xx:xM_xH:xx.8" U12.8 | length 56.4
  Top Layer w0.5: -14.268,8.19 -14.002,8.455 cw(c-12.206,6.659) -12.206,9.199 -7.112,9.199 cw(c-7.112,6.659) -5.316,8.455 -1.744,4.884 cw(c-3.54,3.087) -1.587,4.712 cw(c-3.54,3.087) -1,3.087 -1,-3.867 cw(c-9.517,-3.871) -1.87,-7.621 cw(c-9.517,-3.871) -2.267,-8.341 ; U12.8@-12.11,-29.222 -12.11,-28.355 cw(c-9.57,-28.355) -11.595,-26.822 -11.457,-26.684 cw(c-9.66,-28.48) -9.66,-25.94 -5.84,-25.94 ccw(c-5.84,-23.4) -3.3,-23.4 -3.3,-10.232 cw(c-1.907,-10.232) -3.181,-9.668 cw(c-2.724,-9.871) -3.13,-9.579 ccw(c-5.556,-7.815) -3.112,-9.555 -2.892,-9.247 -2.891,-9.245 -2.672,-8.939 cw(c-2.266,-9.231) -2.669,-8.935 ccw(c-9.517,-3.871) -2.098,-8.054
D0_xx:Mx: "J3_ xx:xM_xx:Mx.8" U16.8 | length 51.8
  Top Layer w0.5: 21.732,8.19 23.273,9.73 cw(c25.069,7.934) 25.069,10.474 27.467,10.474 cw(c27.467,7.934) 29.264,9.73 33.756,5.238 cw(c31.96,3.442) 34.5,3.442 34.5,-2.611 34.5,-4.948 34.5,-5.65 cw(c28.96,-5.65) 34.5,-5.654 cw(c28.96,-5.65) 34.189,-7.48 cw(c28.96,-5.65) 33.342,-9.039 ; U16.8@29.89,-29.31 29.89,-28.912 cw(c32.43,-28.912) 30.634,-27.116 32.384,-25.366 ccw(c30.588,-23.57) 33.128,-23.57 33.128,-9.921 cw(c35.182,-9.921) 33.241,-9.248 cw(c35.182,-9.921) 33.276,-9.156 cw(c33.739,-9.343) 33.342,-9.039 ; 33.729,-8.469 cw(c28.96,-5.65) 33.342,-9.039
D0_xx:xM: "J3_ xx:xM_xx:xM.8" U20.8 | length 51.7
  Top Layer w0.5: 56.216,8.204 63.494,8.204 cw(c63.494,5.664) 65.29,7.46 67.642,5.108 cw(c65.846,3.312) 68.386,3.312 68.386,-17 68.386,-18.51 cw(c64.346,-18.51) 67.596,-20.909 ; U20.8@61.438,-29.301 61.378,-29.241 61.378,-28.029 cw(c63.47,-28.029) 61.99,-26.551 63.183,-25.358 cw(c63.535,-25.713) 63.215,-25.329 ; 63.215,-25.329 ccw(c60.64,-22.216) 63.495,-25.074 64.106,-24.463 ccw(c63.754,-24.108) 64.107,-24.462 67.204,-21.365 ccw(c64.346,-18.51) 67.596,-20.909 ccw(c64.346,-18.51) 68.324,-19.217
D1_Hx:xx: "J3_ xx:xM_Hx:xx.3" U8.15 | length 23.2
  Top Layer w0.5: -61.412,-1.253 -61.984,-1.432 ccw(c-59.393,-5.156) -63.744,-3.87 -63.744,-4.583 ccw(c-61.204,-4.583) -63,-6.379 -62.244,-7.135 -61.957,-7.686 cw(c-65.54,-9.552) -61.5,-9.552 -61.5,-18.833 ccw(c-61,-18.833) -61.354,-19.186 U8.15@-58.85,-21.69
D1_xH:xx: "J3_ xx:xM_xH:xx.3" U12.15 | length 22.7
  Top Layer w0.5: U12.15@-27.35,-21.602 -27.35,-7.141 ccw(c-27.85,-7.141) -27.359,-7.045 -27.425,-6.71 ccw(c-31.39,-7.483) -28.042,-5.222 ccw(c-31.39,-7.483) -28.532,-4.627 -28.663,-4.496 cw(c-27.705,-3.538) -29.06,-3.538 -29.06,-1.901 cw(c-28.501,-1.901) -28.896,-1.506 cw(c-28.285,-2.117) -28.285,-1.253 -26.912,-1.253
D1_xx:Mx: "J3_ xx:xM_xx:Mx.3" U16.15 | length 23.8
  Top Layer w0.5: 9.088,-1.253 8.139,-2.201 ccw(c9.935,-3.997) 7.395,-3.997 7.395,-6.989 ccw(c9.935,-6.989) 8.139,-8.785 13.906,-14.551 cw(c12.11,-16.348) 14.65,-16.348 U16.15@14.65,-21.69
D1_xx:xM: "J3_ xx:xM_xx:xM.3" U20.15 | length 24.4
  Top Layer w0.5: 42.033,-6.347 42.524,-6.919 cw(c39.46,-9.552) 43.5,-9.552 43.5,-18.833 ccw(c44,-18.833) 43.646,-19.186 U20.15@46.15,-21.69 ; 42.04,-6.356 41.769,-6.085 cw(c43.565,-4.289) 41.025,-4.289 41.025,-2.25 cw(c42.037,-2.25) 42.037,-1.239 43.572,-1.239
D2_Hx:xx: "J3_ xx:xM_Hx:xx.14" U8.11 | length 14.5
  Top Layer w0.5: -51.17,-8.901 -48.342,-11.729 cw(c-50.138,-13.525) -47.598,-13.525 -47.598,-19.546 cw(c-50.138,-19.546) -48.342,-21.342 U8.11@-48.69,-21.69
D2_xH:xx: "J3_ xx:xM_xH:xx.14" U12.11 | length 16.4
  Top Layer w0.5: U12.11@-17.19,-21.602 -17.19,-19.69 cw(c-15.25,-19.69) -15.25,-17.75 ccw(c-15.25,-15.598) -13.098,-15.598 -13.098,-13.525 ccw(c-15.638,-13.525) -13.842,-11.729 -16.67,-8.901
D2_xx:Mx: "J3_ xx:xM_xx:Mx.14" U16.11 | length 18.8
  Top Layer w0.5: 19.33,-8.901 19.33,-10.902 ccw(c20.135,-10.902) 20.135,-11.706 23.962,-11.706 cw(c23.962,-14) 26.256,-14 26.256,-16.091 cw(c23.716,-16.091) 26.135,-16.865 cw(c23.716,-16.091) 25.512,-17.887 ; U16.11@24.81,-21.69 24.81,-19.582 cw(c27.207,-19.582) 25.511,-17.888
D2_xx:xM: "J3_ xx:xM_xx:xM.14" U20.11 | length 14.6
  Top Layer w0.5: 53.814,-8.887 56.642,-11.715 56.643,-11.716 cw(c56.287,-12.067) 56.72,-11.816 57.548,-13.249 cw(c56.25,-14) 57.75,-14 57.75,-15.75 cw(c56.25,-15.75) 57.711,-16.092 57.711,-17.631 cw(c55.469,-17.631) 57.054,-19.217 ccw(c58.85,-21.013) 56.31,-21.013 U20.11@56.31,-21.69
D3_Hx:xx: "J3_ xx:xM_Hx:xx.11" U8.9 | length 22.2
  Top Layer w0.5: U8.9@-43.61,-21.69 -41.936,-20.016 ccw(c-43.732,-18.22) -41.192,-18.22 -41.192,-12.36 cw(c-38.192,-12.358) -41.191,-12.312 -41.188,-12.103 -41.188,-4.704 ccw(c-43.728,-4.704) -41.932,-2.908 -43.588,-1.253
D3_xH:xx: "J3_ xx:xM_xH:xx.11" U12.9 | length 24.5
  Top Layer w0.5: U12.9@-12.11,-21.602 -11.561,-21.602 ccw(c-11.561,-19.062) -9.765,-20.858 -7.022,-18.115 ccw(c-8.764,-16.373) -6.3,-16.373 -6.3,-5.092 ccw(c-8.84,-5.092) -7.044,-3.296 -9.088,-1.253
D3_xx:Mx: "J3_ xx:xM_xx:Mx.11" U16.9 | length 21.6
  Top Layer w0.5: 26.912,-1.253 29.146,-3.486 cw(c27.35,-5.282) 29.89,-5.282 U16.9@29.89,-21.69
D3_xx:xM: "J3_ xx:xM_xx:xM.11" U20.9 | length 23.1
  Top Layer w0.5: U20.9@61.39,-21.69 64.216,-18.864 ccw(c62.42,-17.068) 64.526,-18.488 ccw(c62.42,-17.068) 64.96,-17.068 ; 61.396,-1.239 64.216,-4.058 cw(c62.42,-5.854) 64.96,-5.854 64.96,-17
D4_Hx:xx: "J3_ xx:xM_Hx:xx.1" U8.13 | length 15.4
  Top Layer w0.5: -57.402,-7.548 -57.402,-15.218 ccw(c-54.862,-15.218) -56.658,-17.014 -54.514,-19.158 cw(c-56.31,-20.954) -53.77,-20.954 U8.13@-53.77,-21.69
D4_xH:xx: "J3_ xx:xM_xH:xx.1" U12.13 | length 14.2
  Top Layer w0.5: -22.902,-7.548 -22.902,-10.108 ccw(c-22.298,-10.108) -22.725,-10.535 cw(c-23.823,-11.633) -22.27,-11.633 U12.13@-22.27,-21.602
D4_xx:Mx: "J3_ xx:xM_xx:Mx.1" U16.13 | length 16.5
  Top Layer w0.5: 13.098,-7.548 13.098,-7.724 ccw(c15.638,-7.724) 13.842,-9.52 16.651,-12.329 16.652,-12.33 cw(c16.296,-12.681) 16.744,-12.46 17.233,-13.449 cw(c13.61,-15.238) 17.65,-15.238 17.65,-18.558 ccw(c20.19,-18.558) 18.394,-20.354 U16.13@19.73,-21.69
D4_xx:xM: "J3_ xx:xM_xx:xM.1" U20.13 | length 15.5
  Top Layer w0.5: 47.582,-7.534 47.582,-16.016 ccw(c50.122,-16.016) 48.326,-17.812 50.541,-20.027 cw(c48.878,-21.69) U20.13@51.23,-21.69
D5_Hx:xx: "J3_ xx:xM_Hx:xx.12" U8.10 | length 19
  Top Layer w0.5: U8.10@-46.15,-21.69 -43.475,-19.015 ccw(c-45.271,-17.219) -42.731,-17.219 -42.731,-13.56 -42.705,-12.642 ; -44.909,-4.836 -43.449,-6.296 cw(c-45.245,-8.092) -42.705,-8.092 -42.705,-12.651
D5_xH:xx: "J3_ xx:xM_xH:xx.12" U12.10 | length 21.8
  Top Layer w0.5: U12.10@-14.65,-21.602 cw(c-12.798,-21.602) -12.798,-19.75 -11.831,-19.75 ccw(c-11.831,-17.21) -11.267,-19.687 ccw(c-11.831,-17.21) -10.034,-19.006 -8.544,-17.516 ccw(c-10.34,-15.72) -8.039,-16.796 ccw(c-10.34,-15.72) -7.8,-15.72 -7.8,-8.497 ccw(c-10.34,-8.497) -8.544,-6.701 -10.409,-4.836
D5_xx:Mx: "J3_ xx:xM_xx:Mx.12" U16.10 | length 18
  Top Layer w0.5: 25.591,-4.836 27.346,-6.591 cw(c25.55,-8.387) 28.09,-8.387 28.09,-19.904 cw(c25.564,-19.904) U16.10@27.35,-21.69
D5_xx:xM: "J3_ xx:xM_xx:xM.12" U20.10 | length 19.6
  Top Layer w0.5: U20.10@58.85,-21.69 58.85,-21.618 cw(c61.39,-21.618) 58.85,-21.613 cw(c61.39,-21.618) 59.594,-19.822 62.385,-17.03 ccw(c60.589,-15.234) 63.129,-15.234 63.129,-8.929 ccw(c60.589,-8.929) 62.385,-7.133 60.074,-4.822
D6_Hx:xx: "J3_ xx:xM_Hx:xx.2" U8.14 | length 18.2
  Top Layer w0.5: -60.091,-4.836 -60.001,-9.445 cw(c-65.54,-9.552) -60,-9.552 -60,-15.373 ccw(c-58.967,-15.373) -59.697,-16.103 -57.051,-18.75 cw(c-58.839,-20.538) -56.31,-20.538 U8.14@-56.31,-21.69
D6_xH:xx: "J3_ xx:xM_xH:xx.2" U12.14 | length 17
  Top Layer w0.5: -25.591,-4.836 -25.591,-9.17 ccw(c-24.599,-9.17) -25.3,-9.871 cw(c-26.483,-11.054) -24.81,-11.054 U12.14@-24.81,-21.602
D6_xx:Mx: "J3_ xx:xM_xx:Mx.2" U16.14 | length 19.5
  Top Layer w0.5: 10.409,-4.836 ccw(c10.542,-4.968) 10.355,-4.968 10.355,-8.128 ccw(c10.986,-8.128) 10.54,-8.575 15.406,-13.442 cw(c13.61,-15.238) 16.15,-15.238 16.15,-19.598 ccw(c18.69,-19.598) 16.894,-21.394 U16.14@17.19,-21.69
D6_xx:xM: "J3_ xx:xM_xx:xM.2" U20.14 | length 18.3
  Top Layer w0.5: 44.893,-4.822 cw(c44.636,-5.079) 45,-5.079 45,-16.599 ccw(c45.5,-16.597) 45.012,-16.706 ccw(c47.49,-16.148) 45.694,-17.944 48.16,-20.41 cw(c46.879,-21.69) U20.14@48.69,-21.69
D7_Hx:xx: "J3_ xx:xM_Hx:xx.6" U8.1 | length 47.7
  Top Layer w0.5: U8.1@-61.39,-29.31 -61.39,-25.771 ccw(c-63.93,-25.771) -62.134,-23.975 -64.195,-21.914 cw(c-62.399,-20.118) -64.939,-20.118 -64.939,-11.209 ccw(c-67.479,-11.209) -65.683,-9.413 -66.756,-8.34 cw(c-64.96,-6.544) -67.5,-6.544 -67.5,2.199 cw(c-64.96,2.199) -66.756,3.995 -66.052,4.699 cw(c-64.256,2.903) -65.756,4.953 -63.263,7.446 cw(c-61.467,5.65) -61.467,8.19 -56.232,8.19
D7_xH:xx: "J3_ xx:xM_xH:xx.6" U12.1 | length 48.6
  Top Layer w0.5: U12.1@-29.89,-29.222 -29.89,-28.054 ccw(c-32.43,-28.054) -30.365,-26.575 ccw(c-32.43,-28.054) -30.634,-26.258 -31.13,-25.762 cw(c-29.334,-23.966) -31.874,-23.966 -31.874,-19.049 cw(c-29.334,-19.049) -31.13,-17.253 -31.094,-17.217 ccw(c-32.89,-15.421) -30.35,-15.421 -30.35,-8.485 ccw(c-32.89,-8.485) -31.094,-6.689 -31.755,-6.028 cw(c-29.96,-4.231) -32.5,-4.231 -32.5,3.493 cw(c-29.96,3.493) -31.756,5.289 -28.146,8.899 cw(c-26.35,7.103) -26.35,9.643 -24.237,9.643 cw(c-24.237,7.103) -22.441,8.899 -21.732,8.19
D7_xx:Mx: "J3_ xx:xM_xx:Mx.6" U16.1 | length 49
  Top Layer w0.5: U16.1@12.11,-29.31 12.11,-27.736 ccw(c9.57,-27.736) 11.366,-25.94 10.899,-25.472 cw(c12.212,-24.159) 10.355,-24.159 10.355,-16.528 ccw(c7.815,-16.528) 9.612,-14.733 ccw(c7.815,-16.528) 9.611,-14.732 4.379,-9.5 cw(c6.176,-7.705) 3.636,-7.705 3.636,-5.287 ccw(c3.136,-5.288) 3.634,-5.239 cw(c7.653,-4.829) 3.613,-4.829 3.613,3.363 cw(c6.153,3.363) 4.357,5.159 6.909,7.711 cw(c8.705,5.915) 8.705,8.455 13.626,8.455 cw(c13.626,7.548) 14.268,8.19
D7_xx:xM: "J3_ xx:xM_xx:xM.6" U20.1 | length 49.8
  Top Layer w0.5: U20.1@43.61,-29.31 43.61,-28.036 ccw(c41.07,-28.036) 42.866,-26.24 40.805,-24.179 cw(c42.601,-22.383) 40.061,-22.383 40.061,-11.209 ccw(c37.521,-11.209) 39.317,-9.413 38.244,-8.34 cw(c40.04,-6.544) 37.5,-6.544 37.5,5.664 cw(c40.04,5.664) 40.04,8.204 48.752,8.204
D8_Hx:xx: "J3_ xx:xM_Hx:xx.9" U8.2 | length 56
  Top Layer w0.5: U8.2@-58.85,-29.31 -58.85,-27.959 -58.85,-27.957 cw(c-55.649,-27.957) -55.649,-24.756 -43.693,-24.756 ccw(c-43.693,-21.725) -41.55,-23.868 -40.948,-23.266 ; -45.708,5.905 -42.217,5.905 cw(c-42.217,3.365) -40.421,5.161 -40.161,4.9 cw(c-42.232,3.43) -39.692,3.43 -39.688,-4.702 cw(c-43.728,-4.704) -39.688,-4.704 -39.688,-12.103 cw(c-41.188,-12.103) -39.689,-12.124 -39.692,-12.333 ccw(c-38.192,-12.358) -39.692,-12.358 -39.692,-19.686 cw(c-45.448,-19.677) -40.948,-23.266
D8_xH:xx: "J3_ xx:xM_xH:xx.9" U12.2 | length 62.4
  Top Layer w0.5: U12.2@-27.35,-29.222 -27.35,-27.951 cw(c-24.81,-27.951) -26.606,-26.155 -25.554,-25.103 cw(c-23.758,-26.899) -23.758,-24.359 -7.34,-24.359 ccw(c-7.34,-21.819) -4.8,-21.819 -4.8,-10.232 cw(c-1.907,-10.232) -4.554,-9.063 -4.553,-9.061 cw(c-2.724,-9.871) -4.347,-8.703 -4.345,-8.699 ccw(c-5.556,-7.815) -4.334,-8.685 ; -11.208,5.905 -6.038,5.905 cw(c-6.038,3.365) -4.242,5.161 -3.54,4.458 cw(c-6.877,1.626) -2.5,1.626 -2.5,-3.867 cw(c-9.517,-3.871) -3.883,-8.054 cw(c-4.293,-7.767) -3.889,-8.061 ccw(c-2.672,-8.939) -3.891,-8.064 ccw(c-2.672,-8.939) -3.892,-8.066 -4.11,-8.37 ccw(c-2.891,-9.245) -4.113,-8.375 -4.331,-8.68 ccw(c-3.112,-9.555) -4.334,-8.684
D8_xx:Mx: "J3_ xx:xM_xx:Mx.9" U16.2 | length 56.2
  Top Layer w0.5: U16.2@14.65,-29.31 14.65,-28.152 cw(c17.19,-28.152) 15.394,-26.356 16.25,-25.5 cw(c17.72,-26.97) 17.72,-24.891 28.686,-24.891 ccw(c28.686,-22.351) 29.413,-24.785 ccw(c28.686,-22.351) 30.482,-24.147 30.884,-23.745 ccw(c29.088,-21.949) 31.628,-21.949 31.628,-9.364 cw(c33.335,-9.364) 31.928,-8.397 cw(c32.339,-8.682) 31.966,-8.349 ; 24.792,5.905 ccw(c24.89,5.905) 24.89,5.807 29.101,5.807 cw(c29.101,3.267) 30.897,5.063 32.256,3.704 cw(c30.46,1.908) 33,1.908 33,-2.877 33,-5.249 33,-5.65 cw(c28.96,-5.65) 31.966,-8.349 ; 32.128,-8.157 cw(c28.96,-5.65) 31.966,-8.349
D8_xx:xM: "J3_ xx:xM_xx:xM.9" U20.2 | length 56.3
  Top Layer w0.5: U20.2@46.15,-29.31 46.15,-27.957 cw(c48.69,-27.957) 46.894,-26.161 47.555,-25.5 cw(c49.351,-27.296) 49.351,-24.756 60.64,-24.756 ccw(c60.64,-22.216) 62.436,-24.012 63.047,-23.401 64.232,-22.216 66.142,-20.306 ccw(c64.346,-18.51) 66.824,-19.067 ccw(c64.346,-18.51) 66.886,-18.51 66.886,0.873 ccw(c64.346,0.873) 66.142,2.67 63.637,5.175 ccw(c61.841,3.379) 61.841,5.919 59.276,5.919